# KiCad board EOutside.kicad_pcb (continued)
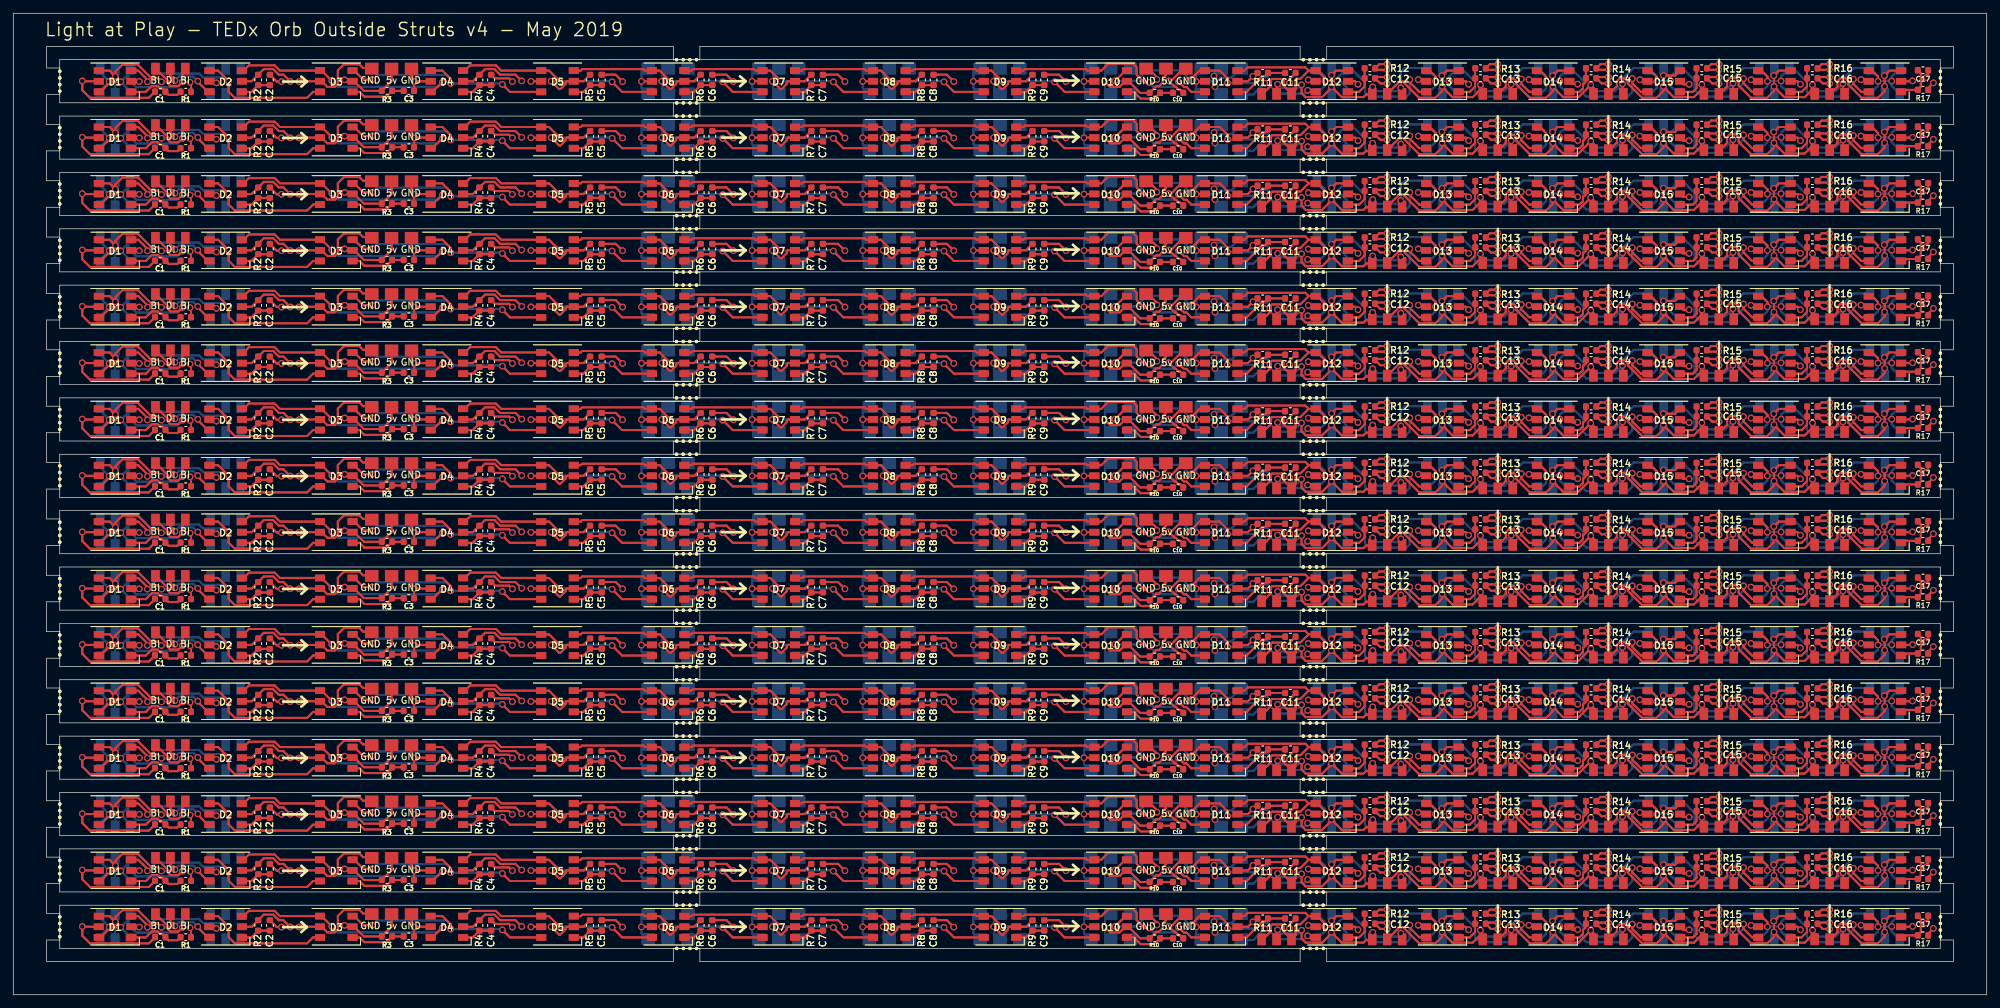
[diagram p0: board, top side]
## Placement (name value [footprint] x y rotation side) (continued)
R17#24  330  [R_0603_1608Metric]  287.73 68.45 180 top
R17#25  330  [R_0603_1608Metric]  287.73 17.45 180 top
R17#26  330  [R_0603_1608Metric]  287.73 17.45 180 top
R17#27  330  [R_0603_1608Metric]  287.73 34.45 180 top
R17#28  330  [R_0603_1608Metric]  287.73 34.45 180 top
R17#29  330  [R_0603_1608Metric]  287.73 8.95 180 top
R17#30  330  [R_0603_1608Metric]  287.73 25.95 180 top
R17#31  330  [R_0603_1608Metric]  287.73 25.95 180 top
R17#32  330  [R_0603_1608Metric]  287.73 8.95 180 top
REF**  -  [MousebiteTabSingle4mm]  101.43 141 0 top
REF**#2  -  [MousebiteTabSingle4mm]  101.46 134.48 0 top
REF**#3  -  [MousebiteTabSingle4mm]  195.86 141 0 top
REF**#4  -  [MousebiteTabSingle4mm]  195.88 134.48 0 top
REF**#5  -  [MousebiteTabSingle4mm]  290.36 137.75 90 top
REF**#6  -  [MousebiteTabSingle4mm]  7.01 137.75 90 top
REF**#7  -  [MousebiteTabSingle4mm]  101.43 132.5 0 top
REF**#8  -  [MousebiteTabSingle4mm]  195.86 132.5 0 top
REF**#9  -  [MousebiteTabSingle4mm]  101.46 125.98 0 top
REF**#10  -  [MousebiteTabSingle4mm]  290.36 129.25 90 top
REF**#11  -  [MousebiteTabSingle4mm]  7.01 129.25 90 top
REF**#12  -  [MousebiteTabSingle4mm]  195.88 125.98 0 top
REF**#13  -  [MousebiteTabSingle4mm]  101.43 124 0 top
REF**#14  -  [MousebiteTabSingle4mm]  195.86 124 0 top
REF**#15  -  [MousebiteTabSingle4mm]  101.46 117.48 0 top
REF**#16  -  [MousebiteTabSingle4mm]  290.36 120.75 90 top
REF**#17  -  [MousebiteTabSingle4mm]  7.01 120.75 90 top
REF**#18  -  [MousebiteTabSingle4mm]  7.01 112.25 90 top
REF**#19  -  [MousebiteTabSingle4mm]  290.36 112.25 90 top
REF**#20  -  [MousebiteTabSingle4mm]  195.88 108.98 0 top
REF**#21  -  [MousebiteTabSingle4mm]  101.46 108.98 0 top
REF**#22  -  [MousebiteTabSingle4mm]  195.86 115.5 0 top
REF**#23  -  [MousebiteTabSingle4mm]  101.43 115.5 0 top
REF**#24  -  [MousebiteTabSingle4mm]  195.88 117.48 0 top
REF**#25  -  [MousebiteTabSingle4mm]  290.36 86.75 90 top
REF**#26  -  [MousebiteTabSingle4mm]  7.01 86.75 90 top
REF**#27  -  [MousebiteTabSingle4mm]  7.01 78.25 90 top
REF**#28  -  [MousebiteTabSingle4mm]  290.36 78.25 90 top
REF**#29  -  [MousebiteTabSingle4mm]  101.46 74.98 0 top
REF**#30  -  [MousebiteTabSingle4mm]  195.86 81.5 0 top
REF**#31  -  [MousebiteTabSingle4mm]  101.43 81.5 0 top
REF**#32  -  [MousebiteTabSingle4mm]  101.43 107 0 top
REF**#33  -  [MousebiteTabSingle4mm]  195.86 107 0 top
REF**#34  -  [MousebiteTabSingle4mm]  101.46 100.48 0 top
REF**#35  -  [MousebiteTabSingle4mm]  195.88 83.48 0 top
REF**#36  -  [MousebiteTabSingle4mm]  101.46 83.48 0 top
REF**#37  -  [MousebiteTabSingle4mm]  195.88 74.98 0 top
REF**#38  -  [MousebiteTabSingle4mm]  290.36 103.75 90 top
REF**#39  -  [MousebiteTabSingle4mm]  7.01 103.75 90 top
REF**#40  -  [MousebiteTabSingle4mm]  101.43 90 0 top
REF**#41  -  [MousebiteTabSingle4mm]  7.01 95.25 90 top
REF**#42  -  [MousebiteTabSingle4mm]  290.36 95.25 90 top
REF**#43  -  [MousebiteTabSingle4mm]  195.88 91.98 0 top
REF**#44  -  [MousebiteTabSingle4mm]  195.86 90 0 top
REF**#45  -  [MousebiteTabSingle4mm]  101.46 91.98 0 top
REF**#46  -  [MousebiteTabSingle4mm]  195.86 98.5 0 top
REF**#47  -  [MousebiteTabSingle4mm]  101.43 98.5 0 top
REF**#48  -  [MousebiteTabSingle4mm]  195.88 100.48 0 top
REF**#49  -  [MousebiteTabSingle4mm]  290.36 61.25 90 top
REF**#50  -  [MousebiteTabSingle4mm]  195.88 57.98 0 top
REF**#51  -  [MousebiteTabSingle4mm]  195.86 56 0 top
REF**#52  -  [MousebiteTabSingle4mm]  7.01 61.25 90 top
REF**#53  -  [MousebiteTabSingle4mm]  101.43 73 0 top
REF**#54  -  [MousebiteTabSingle4mm]  195.88 49.48 0 top
REF**#55  -  [MousebiteTabSingle4mm]  101.46 49.48 0 top
REF**#56  -  [MousebiteTabSingle4mm]  195.86 73 0 top
REF**#57  -  [MousebiteTabSingle4mm]  101.46 66.48 0 top
REF**#58  -  [MousebiteTabSingle4mm]  101.46 40.98 0 top
REF**#59  -  [MousebiteTabSingle4mm]  290.36 52.75 90 top
REF**#60  -  [MousebiteTabSingle4mm]  195.86 47.5 0 top
REF**#61  -  [MousebiteTabSingle4mm]  101.43 47.5 0 top
REF**#62  -  [MousebiteTabSingle4mm]  101.43 56 0 top
REF**#63  -  [MousebiteTabSingle4mm]  7.01 44.25 90 top
REF**#64  -  [MousebiteTabSingle4mm]  195.88 40.98 0 top
REF**#65  -  [MousebiteTabSingle4mm]  290.36 69.75 90 top
REF**#66  -  [MousebiteTabSingle4mm]  7.01 69.75 90 top
REF**#67  -  [MousebiteTabSingle4mm]  290.36 44.25 90 top
REF**#68  -  [MousebiteTabSingle4mm]  7.01 52.75 90 top
REF**#69  -  [MousebiteTabSingle4mm]  195.88 66.48 0 top
REF**#70  -  [MousebiteTabSingle4mm]  101.46 57.98 0 top
REF**#71  -  [MousebiteTabSingle4mm]  195.86 64.5 0 top
REF**#72  -  [MousebiteTabSingle4mm]  101.43 64.5 0 top
REF**#73  -  [MousebiteTabSingle4mm]  290.36 27.25 90 top
REF**#74  -  [MousebiteTabSingle4mm]  101.46 6.98 0 top
REF**#75  -  [MousebiteTabSingle4mm]  290.36 18.75 90 top
REF**#76  -  [MousebiteTabSingle4mm]  195.86 13.5 0 top
REF**#77  -  [MousebiteTabSingle4mm]  101.43 13.5 0 top
REF**#78  -  [MousebiteTabSingle4mm]  7.01 27.25 90 top
REF**#79  -  [MousebiteTabSingle4mm]  101.43 22 0 top
REF**#80  -  [MousebiteTabSingle4mm]  7.01 10.25 90 top
REF**#81  -  [MousebiteTabSingle4mm]  101.46 23.98 0 top
REF**#82  -  [MousebiteTabSingle4mm]  195.86 30.5 0 top
REF**#83  -  [MousebiteTabSingle4mm]  101.43 30.5 0 top
REF**#84  -  [MousebiteTabSingle4mm]  195.86 39 0 top
REF**#85  -  [MousebiteTabSingle4mm]  101.46 32.48 0 top
REF**#86  -  [MousebiteTabSingle4mm]  101.43 39 0 top
REF**#87  -  [MousebiteTabSingle4mm]  195.88 15.48 0 top
REF**#88  -  [MousebiteTabSingle4mm]  101.46 15.48 0 top
REF**#89  -  [MousebiteTabSingle4mm]  195.88 23.98 0 top
REF**#90  -  [MousebiteTabSingle4mm]  195.86 22 0 top
REF**#91  -  [MousebiteTabSingle4mm]  7.01 35.75 90 top
REF**#92  -  [MousebiteTabSingle4mm]  290.36 35.75 90 top
REF**#93  -  [MousebiteTabSingle4mm]  7.01 18.75 90 top
REF**#94  -  [MousebiteTabSingle4mm]  195.88 32.48 0 top
REF**#95  -  [MousebiteTabSingle4mm]  195.88 6.98 0 top
REF**#96  -  [MousebiteTabSingle4mm]  290.36 10.25 90 top

## Footprints (pads in the part's own frame, mm; a bottom-side part is the same pattern mirrored in y, then rotated)
C_0603_1608Metric
  rrect 0.875x0.95 smd: 1(-0.787,0) 2(0.787,0)
LED_WS2812_PLCC6_5.0x5.0mm_P1.6mm
  rect 1.5x1 smd: 1(-2.45,1.6) 2(-2.45,0) 3(-2.45,-1.6) 4(2.45,-1.6) 5(2.45,0) 6(2.45,1.6)
MousebiteTabSingle4mm
  round 0.5 hole 0.5: (-1.5,0) (-0.5,0) (0.5,0) (1.5,0)
R_0603_1608Metric
  rrect 0.875x0.95 smd: 1(-0.787,0) 2(0.787,0)
TEDX_DAT_BRIDGE
  rect 1.25x1.75 smd: 1(0,-1.35) 2(-2.25,-1.35) 2(2.25,-1.35)
TEDX_PWR_BRIDGE
  rect 2x1.75 smd: 1(0,-1.35) 2(-3,-1.35) 2(3,-1.35)

## Nets
+5V: D1.2 D1#2.2 D1#3.2 D1#4.2 D1#5.2 D1#6.2 D1#7.2 D1#8.2 D1#9.2 D1#10.2 D1#11.2 D1#12.2 D1#13.2 D1#14.2 D1#15.2 D1#16.2 D1#17.2 D1#18.2 D1#19.2 D1#20.2 D1#21.2 D1#22.2 D1#23.2 D1#24.2 D1#25.2 D1#26.2 D1#27.2 D1#28.2 D1#29.2 D1#30.2 D1#31.2 D1#32.2 D2.2 D2#2.2 D2#3.2 D2#4.2 D2#5.2 D2#6.2 D2#7.2 D2#8.2 D2#9.2 D2#10.2 D2#11.2 D2#12.2 D2#13.2 D2#14.2 D2#15.2 D2#16.2 D2#17.2 D2#18.2 D2#19.2 D2#20.2 D2#21.2 D2#22.2 D2#23.2 D2#24.2 D2#25.2 D2#26.2 D2#27.2 D2#28.2 D2#29.2 D2#30.2 D2#31.2 D2#32.2 D3.2 D3#2.2 D3#3.2 D3#4.2 D3#5.2 D3#6.2 D3#7.2 D3#8.2 D3#9.2 D3#10.2 D3#11.2 D3#12.2 D3#13.2 D3#14.2 D3#15.2 D3#16.2 D3#17.2 D3#18.2 D3#19.2 D3#20.2 D3#21.2 D3#22.2 D3#23.2 D3#24.2 D3#25.2 D3#26.2 D3#27.2 D3#28.2 D3#29.2 D3#30.2 D3#31.2 D3#32.2 D4.2 D4#2.2 D4#3.2 D4#4.2 D4#5.2 D4#6.2 D4#7.2 D4#8.2 D4#9.2 D4#10.2 D4#11.2 D4#12.2 D4#13.2 D4#14.2 D4#15.2 D4#16.2 D4#17.2 D4#18.2 D4#19.2 D4#20.2 D4#21.2 D4#22.2 D4#23.2 D4#24.2 D4#25.2 D4#26.2 D4#27.2 D4#28.2 D4#29.2 D4#30.2 D4#31.2 D4#32.2 D5.2 D5#2.2 D5#3.2 D5#4.2 D5#5.2 D5#6.2 D5#7.2 D5#8.2 D5#9.2 D5#10.2 D5#11.2 D5#12.2 D5#13.2 D5#14.2 D5#15.2 D5#16.2 D5#17.2 D5#18.2 D5#19.2 D5#20.2 D5#21.2 D5#22.2 D5#23.2 D5#24.2 D5#25.2 D5#26.2 D5#27.2 D5#28.2 D5#29.2 D5#30.2 D5#31.2 D5#32.2 D6.2 D6#2.2 D6#3.2 D6#4.2 D6#5.2 D6#6.2 D6#7.2 D6#8.2 D6#9.2 D6#10.2 D6#11.2 D6#12.2 D6#13.2 D6#14.2 D6#15.2 D6#16.2 D6#17.2 D6#18.2 D6#19.2 D6#20.2 D6#21.2 D6#22.2 D6#23.2 D6#24.2 D6#25.2 D6#26.2 D6#27.2 D6#28.2 D6#29.2 D6#30.2 D6#31.2 D6#32.2 D7.2 D7#2.2 D7#3.2 D7#4.2 D7#5.2 D7#6.2 D7#7.2 D7#8.2 D7#9.2 D7#10.2 D7#11.2 D7#12.2 D7#13.2 D7#14.2 D7#15.2 D7#16.2 D7#17.2 D7#18.2 D7#19.2 D7#20.2 D7#21.2 D7#22.2 D7#23.2 D7#24.2 D7#25.2 D7#26.2 D7#27.2 D7#28.2 D7#29.2 D7#30.2 D7#31.2 D7#32.2 D8.2 D8#2.2 D8#3.2 D8#4.2 D8#5.2 D8#6.2 D8#7.2 D8#8.2 D8#9.2 D8#10.2 D8#11.2 D8#12.2 D8#13.2 D8#14.2 D8#15.2 D8#16.2 D8#17.2 D8#18.2 D8#19.2 D8#20.2 D8#21.2 D8#22.2 D8#23.2 D8#24.2 D8#25.2 D8#26.2 D8#27.2 D8#28.2 D8#29.2 D8#30.2 D8#31.2 D8#32.2 D9.2 D9#2.2 D9#3.2 D9#4.2 D9#5.2 D9#6.2 D9#7.2 D9#8.2 D9#9.2 D9#10.2 D9#11.2 D9#12.2 D9#13.2 D9#14.2 D9#15.2 D9#16.2 D9#17.2 D9#18.2 D9#19.2 D9#20.2 D9#21.2 D9#22.2 D9#23.2 D9#24.2 D9#25.2 D9#26.2 D9#27.2 D9#28.2 D9#29.2 D9#30.2 D9#31.2 D9#32.2 D10.2 D10#2.2 D10#3.2 D10#4.2 D10#5.2 D10#6.2 D10#7.2 D10#8.2 D10#9.2 D10#10.2 D10#11.2 D10#12.2 D10#13.2 D10#14.2 D10#15.2 D10#16.2 D10#17.2 D10#18.2 D10#19.2 D10#20.2 D10#21.2 D10#22.2 D10#23.2 D10#24.2 D10#25.2 D10#26.2 D10#27.2 D10#28.2 D10#29.2 D10#30.2 D10#31.2 D10#32.2 D11.2 D11#2.2 D11#3.2 D11#4.2 D11#5.2 D11#6.2 D11#7.2 D11#8.2 D11#9.2 D11#10.2 D11#11.2 D11#12.2 D11#13.2 D11#14.2 D11#15.2 D11#16.2 D11#17.2 D11#18.2 D11#19.2 D11#20.2 D11#21.2 D11#22.2 D11#23.2 D11#24.2 D11#25.2 D11#26.2 D11#27.2 D11#28.2 D11#29.2 D11#30.2 D11#31.2 D11#32.2 D12.2 D12#2.2 D12#3.2 D12#4.2 D12#5.2 D12#6.2 D12#7.2 D12#8.2 D12#9.2 D12#10.2 D12#11.2 D12#12.2 D12#13.2 D12#14.2 D12#15.2 D12#16.2 D12#17.2 D12#18.2 D12#19.2 D12#20.2 D12#21.2 D12#22.2 D12#23.2 D12#24.2 D12#25.2 D12#26.2 D12#27.2 D12#28.2 D12#29.2 D12#30.2 D12#31.2 D12#32.2 D13.2 D13#2.2 D13#3.2 D13#4.2 D13#5.2 D13#6.2 D13#7.2 D13#8.2 D13#9.2 D13#10.2 D13#11.2 D13#12.2 D13#13.2 D13#14.2 D13#15.2 D13#16.2 D13#17.2 D13#18.2 D13#19.2 D13#20.2 D13#21.2 D13#22.2 D13#23.2 D13#24.2 D13#25.2 D13#26.2 D13#27.2 D13#28.2 D13#29.2 D13#30.2 D13#31.2 D13#32.2 D14.2 D14#2.2 D14#3.2 D14#4.2 D14#5.2 D14#6.2 D14#7.2 D14#8.2 D14#9.2 D14#10.2 D14#11.2 D14#12.2 D14#13.2 D14#14.2 D14#15.2 D14#16.2 D14#17.2 D14#18.2 D14#19.2 D14#20.2 D14#21.2 D14#22.2 D14#23.2 D14#24.2 D14#25.2 D14#26.2 D14#27.2 D14#28.2 D14#29.2 D14#30.2 D14#31.2 D14#32.2 D15.2 D15#2.2 D15#3.2 D15#4.2 D15#5.2 D15#6.2 D15#7.2 D15#8.2 D15#9.2 D15#10.2 D15#11.2 D15#12.2 D15#13.2 D15#14.2 D15#15.2 D15#16.2 D15#17.2 D15#18.2 D15#19.2 D15#20.2 D15#21.2 D15#22.2 D15#23.2 D15#24.2 D15#25.2 D15#26.2 D15#27.2 D15#28.2 D15#29.2 D15#30.2 D15#31.2 D15#32.2 D16.2 D16#2.2 D16#3.2 D16#4.2 D16#5.2 D16#6.2 D16#7.2 D16#8.2 D16#9.2 D16#10.2 D16#11.2 D16#12.2 D16#13.2 D16#14.2 D16#15.2 D16#16.2 D16#17.2 D16#18.2 D16#19.2 D16#20.2 D16#21.2 D16#22.2 D16#23.2 D16#24.2 D16#25.2 D16#26.2 D16#27.2 D16#28.2 D16#29.2 D16#30.2 D16#31.2 D16#32.2 D17.2 D17#2.2 D17#3.2 D17#4.2 D17#5.2 D17#6.2 D17#7.2 D17#8.2 D17#9.2 D17#10.2 D17#11.2 D17#12.2 D17#13.2 D17#14.2 D17#15.2 D17#16.2 D17#17.2 D17#18.2 D17#19.2 D17#20.2 D17#21.2 D17#22.2 D17#23.2 D17#24.2 D17#25.2 D17#26.2 D17#27.2 D17#28.2 D17#29.2 D17#30.2 D17#31.2 D17#32.2 J6.1 J6#2.1 J6#3.1 J6#4.1 J6#5.1 J6#6.1 J6#7.1 J6#8.1 J6#9.1 J6#10.1 J6#11.1 J6#12.1 J6#13.1 J6#14.1 J6#15.1 J6#16.1 J6#17.1 J6#18.1 J6#19.1 J6#20.1 J6#21.1 J6#22.1 J6#23.1 J6#24.1 J6#25.1 J6#26.1 J6#27.1 J6#28.1 J6#29.1 J6#30.1 J6#31.1 J6#32.1 J6#33.1 J6#34.1 J6#35.1 J6#36.1 J6#37.1 J6#38.1 J6#39.1 J6#40.1 J6#41.1 J6#42.1 J6#43.1 J6#44.1 J6#45.1 J6#46.1 J6#47.1 J6#48.1 J6#49.1 J6#50.1 J6#51.1 J6#52.1 J6#53.1 J6#54.1 J6#55.1 J6#56.1 J6#57.1 J6#58.1 J6#59.1 J6#60.1 J6#61.1 J6#62.1 J6#63.1 J6#64.1 J6#65.1 J6#66.1 J6#67.1 J6#68.1 J6#69.1 J6#70.1 J6#71.1 J6#72.1 J6#73.1 J6#74.1 J6#75.1 J6#76.1 J6#77.1 J6#78.1 J6#79.1 J6#80.1 J6#81.1 J6#82.1 J6#83.1 J6#84.1 J6#85.1 J6#86.1 J6#87.1 J6#88.1 J6#89.1 J6#90.1 J6#91.1 J6#92.1 J6#93.1 J6#94.1 J6#95.1 J6#96.1 J6#97.1 J6#98.1 J6#99.1 J6#100.1 J6#101.1 J6#102.1 J6#103.1 J6#104.1 J6#105.1 J6#106.1 J6#107.1 J6#108.1 J6#109.1 J6#110.1 J6#111.1 J6#112.1 J6#113.1 J6#114.1 J6#115.1 J6#116.1 J6#117.1 J6#118.1 J6#119.1 J6#120.1 J6#121.1 J6#122.1 J6#123.1 J6#124.1 J6#125.1 J6#126.1 J6#127.1 J6#128.1 J6#129.1 J6#130.1 J6#131.1 J6#132.1 J6#133.1 J6#134.1 J6#135.1 J6#136.1 J6#137.1 J6#138.1 J6#139.1 J6#140.1 J6#141.1 J6#142.1 J6#143.1 J6#144.1 J6#145.1 J6#146.1 J6#147.1 J6#148.1 J6#149.1 J6#150.1 J6#151.1 J6#152.1 J6#153.1 J6#154.1 J6#155.1 J6#156.1 J6#157.1 J6#158.1 J6#159.1 J6#160.1 J6#161.1 J6#162.1 J6#163.1 J6#164.1 J6#165.1 J6#166.1 J6#167.1 J6#168.1 J6#169.1 J6#170.1 J6#171.1 J6#172.1 J6#173.1 J6#174.1 J6#175.1 J6#176.1 J6#177.1 J6#178.1 J6#179.1 J6#180.1 J6#181.1 J6#182.1 J6#183.1 J6#184.1 J6#185.1 J6#186.1 J6#187.1 J6#188.1 J6#189.1 J6#190.1 J6#191.1 J6#192.1 J6#193.1 J6#194.1 J6#195.1 J6#196.1 J6#197.1 J6#198.1 J6#199.1 J6#200.1 J6#201.1 J6#202.1 J6#203.1 J6#204.1 J6#205.1 J6#206.1 J6#207.1 J6#208.1 J6#209.1 J6#210.1 J6#211.1 J6#212.1 J6#213.1 J6#214.1 J6#215.1 J6#216.1 J6#217.1 J6#218.1 J6#219.1 J6#220.1 J6#221.1 J6#222.1 J6#223.1 J6#224.1 J6#225.1 J6#226.1 J6#227.1 J6#228.1 J6#229.1 J6#230.1 J6#231.1 J6#232.1 J6#233.1 J6#234.1 J6#235.1 J6#236.1 J6#237.1 J6#238.1 J6#239.1 J6#240.1 J6#241.1 J6#242.1 J6#243.1 J6#244.1 J6#245.1 J6#246.1 J6#247.1 J6#248.1 J6#249.1 J6#250.1 J6#251.1 J6#252.1 J6#253.1 J6#254.1 J6#255.1 J6#256.1 J6#257.1 J6#258.1 J6#259.1 J6#260.1 J6#261.1 J6#262.1 J6#263.1 J6#264.1 J6#265.1 J6#266.1 J6#267.1 J6#268.1 J6#269.1 J6#270.1 J6#271.1 J6#272.1 J6#273.1 J6#274.1 J6#275.1 J6#276.1 J6#277.1 J6#278.1 J6#279.1 J6#280.1 J6#281.1 J6#282.1 J6#283.1 J6#284.1 J6#285.1 J6#286.1 J6#287.1 J6#288.1 J6#289.1 J6#290.1 J6#291.1 J6#292.1 J6#293.1 J6#294.1 J6#295.1 J6#296.1 J6#297.1 J6#298.1 J6#299.1 J6#300.1 J6#301.1 J6#302.1 J6#303.1 J6#304.1 J6#305.1 J6#306.1 J6#307.1 J6#308.1 J6#309.1 J6#310.1 J6#311.1 J6#312.1 J6#313.1 J6#314.1 J6#315.1 J6#316.1 J6#317.1 J6#318.1 J6#319.1 J6#320.1 J6#321.1 J6#322.1 J6#323.1 J6#324.1 J6#325.1 J6#326.1 J6#327.1 J6#328.1 J6#329.1 J6#330.1 J6#331.1 J6#332.1 J6#333.1 J6#334.1 J6#335.1 J6#336.1 J6#337.1 J6#338.1 J6#339.1 J6#340.1 J6#341.1 J6#342.1 J6#343.1 J6#344.1 J6#345.1 J6#346.1 J6#347.1 J6#348.1 J6#349.1 J6#350.1 J6#351.1 J6#352.1 J6#353.1 J6#354.1 J6#355.1 J6#356.1 J6#357.1 J6#358.1 J6#359.1 J6#360.1 J6#361.1 J6#362.1 J6#363.1 J6#364.1 J6#365.1 J6#366.1 J6#367.1 J6#368.1 J6#369.1 J6#370.1 J6#371.1 J6#372.1 J6#373.1 J6#374.1 J6#375.1 J6#376.1 J6#377.1 J6#378.1 J6#379.1 J6#380.1 J6#381.1 J6#382.1 J6#383.1 J6#384.1 J6#385.1 J6#386.1 J6#387.1 J6#388.1 J6#389.1 J6#390.1 J6#391.1 J6#392.1 J6#393.1 J6#394.1 J6#395.1 J6#396.1 J6#397.1 J6#398.1 J6#399.1 J6#400.1 J6#401.1 J6#402.1 J6#403.1 J6#404.1 J6#405.1 J6#406.1 J6#407.1 J6#408.1 J6#409.1 J6#410.1 J6#411.1 J6#412.1 J6#413.1 J6#414.1 J6#415.1 J6#416.1 J6#417.1 J6#418.1 J6#419.1 J6#420.1 J6#421.1 J6#422.1 J6#423.1 J6#424.1 J6#425.1 J6#426.1 J6#427.1 J6#428.1 J6#429.1 J6#430.1 J6#431.1 J6#432.1 J6#433.1 J6#434.1 J6#435.1 J6#436.1 J6#437.1 J6#438.1 J6#439.1 J6#440.1 J6#441.1 J6#442.1 J6#443.1 J6#444.1 J6#445.1 J6#446.1 J6#447.1 J6#448.1 R1.1 R1#2.1 R1#3.1 R1#4.1 R1#5.1 R1#6.1 R1#7.1 R1#8.1 R1#9.1 R1#10.1 R1#11.1 R1#12.1 R1#13.1 R1#14.1 R1#15.1 R1#16.1 R1#17.1 R1#18.1 R1#19.1 R1#20.1 R1#21.1 R1#22.1 R1#23.1 R1#24.1 R1#25.1 R1#26.1 R1#27.1 R1#28.1 R1#29.1 R1#30.1 R1#31.1 R1#32.1 R2.1 R2#2.1 R2#3.1 R2#4.1 R2#5.1 R2#6.1 R2#7.1 R2#8.1 R2#9.1 R2#10.1 R2#11.1 R2#12.1 R2#13.1 R2#14.1 R2#15.1 R2#16.1 R2#17.1 R2#18.1 R2#19.1 R2#20.1 R2#21.1 R2#22.1 R2#23.1 R2#24.1 R2#25.1 R2#26.1 R2#27.1 R2#28.1 R2#29.1 R2#30.1 R2#31.1 R2#32.1 R3.1 R3#2.1 R3#3.1 R3#4.1 R3#5.1 R3#6.1 R3#7.1 R3#8.1 R3#9.1 R3#10.1 R3#11.1 R3#12.1 R3#13.1 R3#14.1 R3#15.1 R3#16.1 R3#17.1 R3#18.1 R3#19.1 R3#20.1 R3#21.1 R3#22.1 R3#23.1 R3#24.1 R3#25.1 R3#26.1 R3#27.1 R3#28.1 R3#29.1 R3#30.1 R3#31.1 R3#32.1 R4.1 R4#2.1 R4#3.1 R4#4.1 R4#5.1 R4#6.1 R4#7.1 R4#8.1 R4#9.1 R4#10.1 R4#11.1 R4#12.1 R4#13.1 R4#14.1 R4#15.1 R4#16.1 R4#17.1 R4#18.1 R4#19.1 R4#20.1 R4#21.1 R4#22.1 R4#23.1 R4#24.1 R4#25.1 R4#26.1 R4#27.1 R4#28.1 R4#29.1 R4#30.1 R4#31.1 R4#32.1 R5.1 R5#2.1 R5#3.1 R5#4.1 R5#5.1 R5#6.1 R5#7.1 R5#8.1 R5#9.1 R5#10.1 R5#11.1 R5#12.1 R5#13.1 R5#14.1 R5#15.1 R5#16.1 R5#17.1 R5#18.1 R5#19.1 R5#20.1 R5#21.1 R5#22.1 R5#23.1 R5#24.1 R5#25.1 R5#26.1 R5#27.1 R5#28.1 R5#29.1 R5#30.1 R5#31.1 R5#32.1 R6.1 R6#2.1 R6#3.1 R6#4.1 R6#5.1 R6#6.1 R6#7.1 R6#8.1 R6#9.1 R6#10.1 R6#11.1 R6#12.1 R6#13.1 R6#14.1 R6#15.1 R6#16.1 R6#17.1 R6#18.1 R6#19.1 R6#20.1 R6#21.1 R6#22.1 R6#23.1 R6#24.1 R6#25.1 R6#26.1 R6#27.1 R6#28.1 R6#29.1 R6#30.1 R6#31.1 R6#32.1 R7.1 R7#2.1 R7#3.1 R7#4.1 R7#5.1 R7#6.1 R7#7.1 R7#8.1 R7#9.1 R7#10.1 R7#11.1 R7#12.1 R7#13.1 R7#14.1 R7#15.1 R7#16.1 R7#17.1 R7#18.1 R7#19.1 R7#20.1 R7#21.1 R7#22.1 R7#23.1 R7#24.1 R7#25.1 R7#26.1 R7#27.1 R7#28.1 R7#29.1 R7#30.1 R7#31.1 R7#32.1 R8.1 R8#2.1 R8#3.1 R8#4.1 R8#5.1 R8#6.1 R8#7.1 R8#8.1 R8#9.1 R8#10.1 R8#11.1 R8#12.1 R8#13.1 R8#14.1 R8#15.1 R8#16.1 R8#17.1 R8#18.1 R8#19.1 R8#20.1 R8#21.1 R8#22.1 R8#23.1 R8#24.1 R8#25.1 R8#26.1 R8#27.1 R8#28.1 R8#29.1 R8#30.1 R8#31.1 R8#32.1 R9.1 R9#2.1 R9#3.1 R9#4.1 R9#5.1 R9#6.1 R9#7.1 R9#8.1 R9#9.1 R9#10.1 R9#11.1 R9#12.1 R9#13.1 R9#14.1 R9#15.1 R9#16.1 R9#17.1 R9#18.1 R9#19.1 R9#20.1 R9#21.1 R9#22.1 R9#23.1 R9#24.1 R9#25.1 R9#26.1 R9#27.1 R9#28.1 R9#29.1 R9#30.1 R9#31.1 R9#32.1 R10.1 R10#2.1 R10#3.1 R10#4.1 R10#5.1 R10#6.1 R10#7.1 R10#8.1 R10#9.1 R10#10.1 R10#11.1 R10#12.1 R10#13.1 R10#14.1 R10#15.1 R10#16.1 R10#17.1 R10#18.1 R10#19.1 R10#20.1 R10#21.1 R10#22.1 R10#23.1 R10#24.1 R10#25.1 R10#26.1 R10#27.1 R10#28.1 R10#29.1 R10#30.1 R10#31.1 R10#32.1 R11.1 R11#2.1 R11#3.1 R11#4.1 R11#5.1 R11#6.1 R11#7.1 R11#8.1 R11#9.1 R11#10.1 R11#11.1 R11#12.1 R11#13.1 R11#14.1 R11#15.1 R11#16.1 R11#17.1 R11#18.1 R11#19.1 R11#20.1 R11#21.1 R11#22.1 R11#23.1 R11#24.1 R11#25.1 R11#26.1 R11#27.1 R11#28.1 R11#29.1 R11#30.1 R11#31.1 R11#32.1 R12.1 R12#2.1 R12#3.1 R12#4.1 R12#5.1 R12#6.1 R12#7.1 R12#8.1 R12#9.1 R12#10.1 R12#11.1 R12#12.1 R12#13.1 R12#14.1 R12#15.1 R12#16.1 R12#17.1 R12#18.1 R12#19.1 R12#20.1 R12#21.1 R12#22.1 R12#23.1 R12#24.1 R12#25.1 R12#26.1 R12#27.1 R12#28.1 R12#29.1 R12#30.1 R12#31.1 R12#32.1 R13.1 R13#2.1 R13#3.1 R13#4.1 R13#5.1 R13#6.1 R13#7.1 R13#8.1 R13#9.1 R13#10.1 R13#11.1 R13#12.1 R13#13.1 R13#14.1 R13#15.1 R13#16.1 R13#17.1 R13#18.1 R13#19.1 R13#20.1 R13#21.1 R13#22.1 R13#23.1 R13#24.1 R13#25.1 R13#26.1 R13#27.1 R13#28.1 R13#29.1 R13#30.1 R13#31.1 R13#32.1 R14.1 R14#2.1 R14#3.1 R14#4.1 R14#5.1 R14#6.1 R14#7.1 R14#8.1 R14#9.1 R14#10.1 R14#11.1 R14#12.1 R14#13.1 R14#14.1 R14#15.1 R14#16.1 R14#17.1 R14#18.1 R14#19.1 R14#20.1 R14#21.1 R14#22.1 R14#23.1 R14#24.1 R14#25.1 R14#26.1 R14#27.1 R14#28.1 R14#29.1 R14#30.1 R14#31.1 R14#32.1 R15.1 R15#2.1 R15#3.1 R15#4.1 R15#5.1 R15#6.1 R15#7.1 R15#8.1 R15#9.1 R15#10.1 R15#11.1 R15#12.1 R15#13.1 R15#14.1 R15#15.1 R15#16.1 R15#17.1 R15#18.1 R15#19.1 R15#20.1 R15#21.1 R15#22.1 R15#23.1 R15#24.1 R15#25.1 R15#26.1 R15#27.1 R15#28.1 R15#29.1 R15#30.1 R15#31.1 R15#32.1 R16.1 R16#2.1 R16#3.1 R16#4.1 R16#5.1 R16#6.1 R16#7.1 R16#8.1 R16#9.1 R16#10.1 R16#11.1 R16#12.1 R16#13.1 R16#14.1 R16#15.1 R16#16.1 R16#17.1 R16#18.1 R16#19.1 R16#20.1 R16#21.1 R16#22.1 R16#23.1 R16#24.1 R16#25.1 R16#26.1 R16#27.1 R16#28.1 R16#29.1 R16#30.1 R16#31.1 R16#32.1 R17.1 R17#2.1 R17#3.1 R17#4.1 R17#5.1 R17#6.1 R17#7.1 R17#8.1 R17#9.1 R17#10.1 R17#11.1 R17#12.1 R17#13.1 R17#14.1 R17#15.1 R17#16.1 R17#17.1 R17#18.1 R17#19.1 R17#20.1 R17#21.1 R17#22.1 R17#23.1 R17#24.1 R17#25.1 R17#26.1 R17#27.1 R17#28.1 R17#29.1 R17#30.1 R17#31.1 R17#32.1
